# Altium PCB Diver Sensor.PcbDoc (continued)
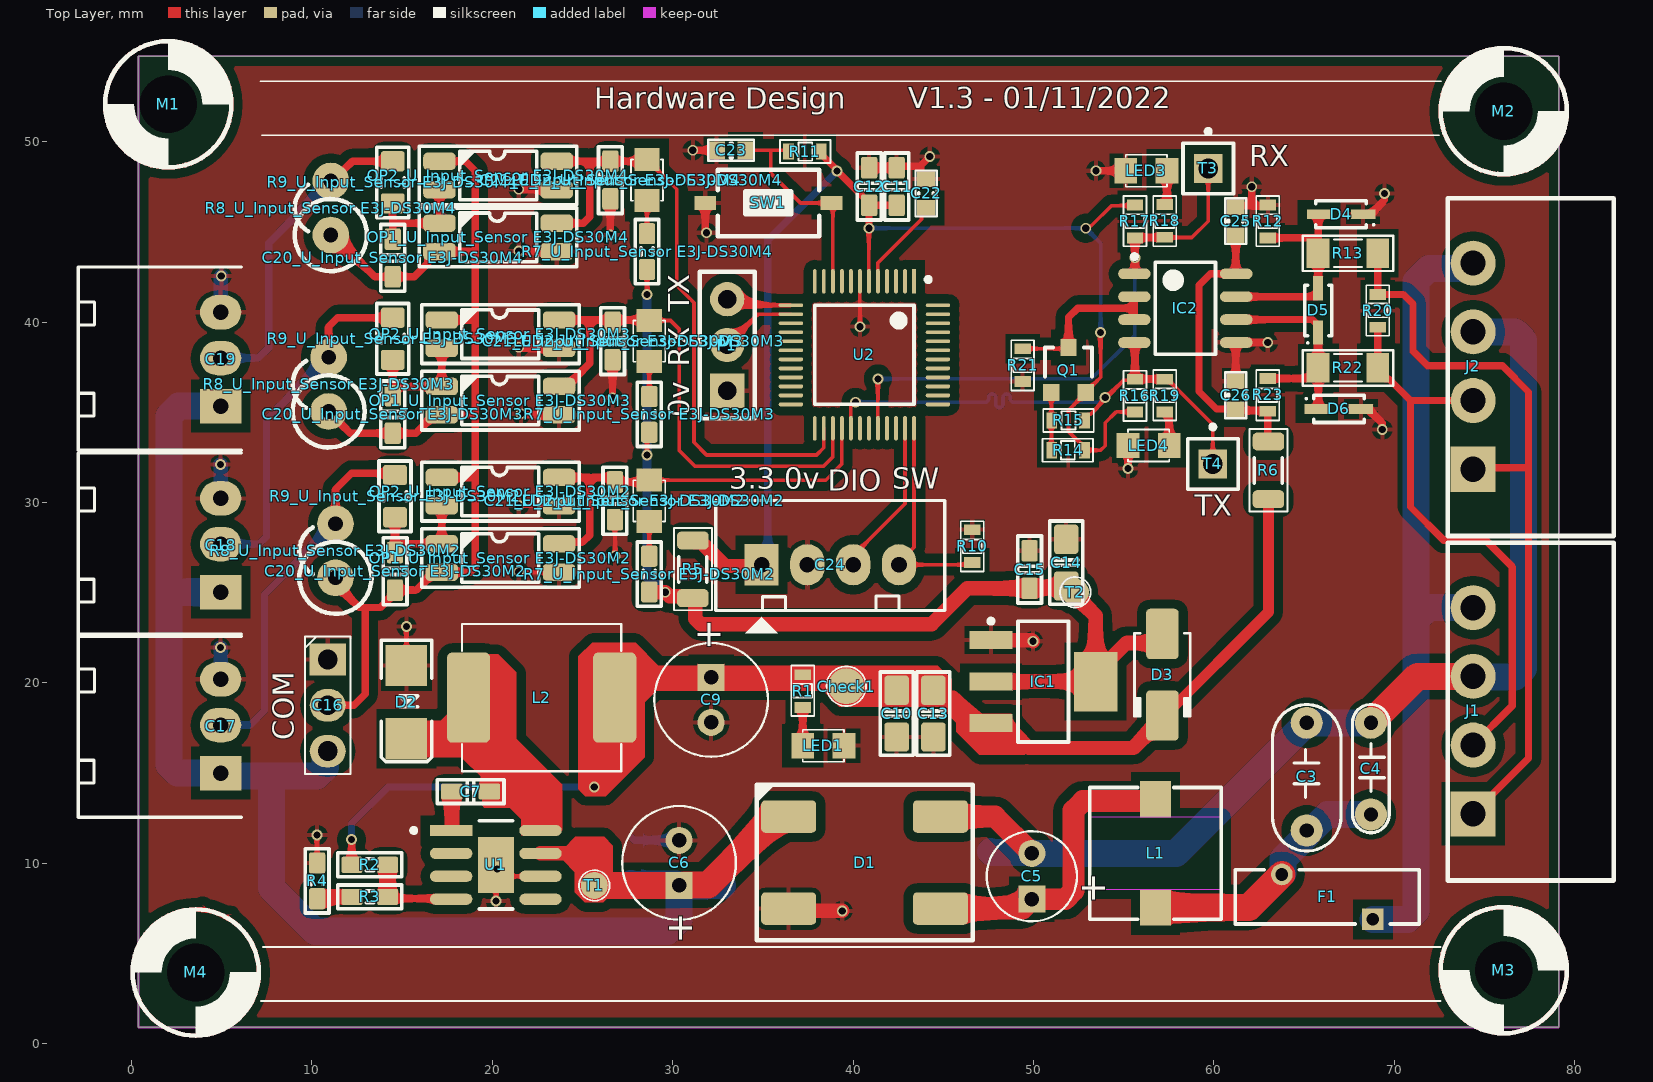
[diagram p0: Top Layer view]
## Footprints (in the part's own frame and the unit in brackets; to place one, negate y for a bottom-side part, rotate by r counter-clockwise, add the part's x,y. Pads: shape width x height; smd on the part's side, far side on the other; paste and mask are expansions set on the pad) (continued)
  silkscreen extent -1.78,-0.66 1.78,0.66, body extent -0.77,-0.42 0.78,0.43, height 0.44
RESC2012X70N [mil]
  round 10 on Mech3: 0(0,0)
  rrect25% 44x52 smd: 1(-46,0) 2(46,0)
  Top Layer pour cut-out: -23.62,19.66 -14.99,28.25 15,28.25 23.62,20.12 23.62,-20.1 14.98,-28.25 -14.96,-28.25 -23.62,-19.63
  silkscreen extent -77,-35 77,35, body extent -39,-25 39,25, height 17
RUEF165 [mm]
  rect 1.2x1.2 hole 0.7 paste-1000 mask+0: 1(-2.525,1.245)
  round 1.2 hole 0.7 paste-1000 mask+0: 2(2.525,-1.245)
  silkscreen extent -5.1,-1.5 5.1,1.5, body extent -5.2,-1.94 5.2,1.94, height 0.25
SMD-2 [mm]
  round 2 smd paste+0 mask+0: 1(0,0)
  silkscreen extent -1.1,-1.1 1.1,1.1
SMD_1.5 [mm]
  round 1.5 smd paste+0 mask+0: 1(0,0)
  silkscreen extent -0.85,-0.85 0.85,0.85
SO8 [mm] "SOIC, 8-Leads, Body 4.9x3.9mm, Pitch 1.27mm, IPC High Density"
  oval 1.8x0.6 smd: 1(-2.825,1.905) 2(-2.825,0.635) 3(-2.825,-0.635) 4(-2.825,-1.905) 5(2.825,-1.905) 6(2.825,-0.635) 7(2.825,0.635) 8(2.825,1.905)
  silkscreen extent -2.95,-2.55 1.68,2.98, body extent -2.99,-2.45 3,2.45, height 1.6
SOT23-321 [mm]
  rect 0.9x0.95 smd mask+0: 1(0.95,-1.25)
  rect 0.9x0.95 smd: 2(0,1.25) 3(-0.95,-1.25)
  silkscreen extent -1.3,-0.38 1.3,1.25, body extent -1.52,-1.23 1.48,1.27, height 1.06
SOT223 [mm]
  rect 1x2.4 smd: 1(-2.3,-2.9) 2(0,-2.9) 3(2.3,-2.9)
  rect 3.3x2.4 smd: 4(0,2.9)
  silkscreen extent -3.47,-3.02 3.35,1.4, body extent -3.25,-3.56 3.25,3.4, height 1.68
STM32G070CBT6 [mm]
  rect 1.355x0.212 smd paste+0 mask+0: 1(-4.075,2.75)
  rrect100% 1.355x0.212 smd paste+0 mask+0: 2(-4.075,2.25) 3(-4.075,1.75) 4(-4.075,1.25) 5(-4.075,0.75) 6(-4.075,0.25) 7(-4.075,-0.25) 8(-4.075,-0.75) 9(-4.075,-1.25) 10(-4.075,-1.75) 11(-4.075,-2.25) 12(-4.075,-2.75) 25(4.075,-2.75) 26(4.075,-2.25) 27(4.075,-1.75) 28(4.075,-1.25) 29(4.075,-0.75) 30(4.075,-0.25) 31(4.075,0.25) 32(4.075,0.75) 33(4.075,1.25) 34(4.075,1.75) 35(4.075,2.25) 36(4.075,2.75)
  rrect100% 0.212x1.355 smd paste+0 mask+0: 13(-2.75,-4.075) 14(-2.25,-4.075) 15(-1.75,-4.075) 16(-1.25,-4.075) 17(-0.75,-4.075) 18(-0.25,-4.075) 19(0.25,-4.075) 20(0.75,-4.075) 21(1.25,-4.075) 22(1.75,-4.075) 23(2.25,-4.075) 24(2.75,-4.075) 37(2.75,4.075) 38(2.25,4.075) 39(1.75,4.075) 40(1.25,4.075) 41(0.75,4.075) 42(0.25,4.075) 43(-0.25,4.075) 44(-0.75,4.075) 45(-1.25,4.075) 46(-1.75,4.075) 47(-2.25,4.075) 48(-2.75,4.075)
  silkscreen extent -4.3,-2.75 2.75,3.66, body extent -4.85,-4.85 4.85,4.85, height 0.25
SW1-SMD [mm]
  rect 1.2x0.8 smd: 1(-3.5,0) 2(3.5,0)
  silkscreen extent -2.82,-1.85 2.82,1.85, body extent -3.05,-1.85 3.05,1.85, height 2.5
Test [mm] "1pins, 1 row, straight, gold plating"
  rect 1.6x1.6 hole 1.1: 1(0,0)
  silkscreen extent -1.4,-1.4 1.4,2.17, body extent -1.27,-1.27 1.27,1.27, height 8.54
TPS5430 [mm]
  rect 2.353x0.622 smd paste+0 mask+0: 1(-2.477,1.905)
  rrect100% 2.353x0.622 smd paste+0 mask+0: 2(-2.477,0.635) 3(-2.477,-0.635) 4(-2.477,-1.905) 5(2.477,-1.905) 6(2.477,-0.635) 7(2.477,0.635) 8(2.477,1.905)
  rect 2x3.1 smd paste-1000 mask+0: 9(0,0)
  silkscreen extent -4.68,-2.45 0.93,2.45, body extent -4.15,-2.95 4.15,2.95, height 0.25
"VIT - 3.2MM_2" [mm]
  round 0 hole 3.2 unplated: 1(0,0)
  Top Layer circle w0.254: c0,0 r3.5
  Bottom Layer circle w0.2: c0,0 r3.5
  silkscreen extent -3.5,-3.51 3.5,3.51

## Part data
C1 C2 C3 C4 C22 C23 C25 C26: library part CN
C5 C6 C9: library part CN-ALU-DIP, "Capacitor (Semiconductor SIM Model)", LatestRevisionDate=17-Jul-2002, LatestRevisionNote="Re-released for DXP Platform.", PackageReference=C1206, Publisher="Altium Limited"
C7: library part CAPC_10000pF_0603_50V_10%, "10000pF ±10% 50V Ceramic Capacitor X7R 0603 (1608 Metric)", Manufacturer 1="TDK Corporation", Manufacturer Part Number 1=CGA3E2X7R1H103K080AA, Operating Temperature="-55°C ~ 125°C", Package / Case="0603 (1608 Metric)", Ratings=AEC-Q200, Supplier Part Number 1=445-5662-6-ND, Temperature Coefficient=X7R, Tolerance=±10%, Voltage - Rated=50V, Pcs 2=10, Price 2=1900, Supplier 1=Digi-Key, Supplier 2=https://www.thegioiic.com, Supplier Part Number 2=https://www.thegioiic.com/products/tu-gom-0603-10nf-50v
C8: library part CAPC_10uF_0805_X7R_25V_10%, "10µF ±10% 25V Ceramic Capacitor X7R 1206 (3216 Metric)", Manufacturer 1="Taiyo Yuden", Manufacturer Part Number=TMK316AB7106KLHT, Operating Temperature="-55°C ~ 125°C", Package / Case="0805 (2012 metric)", Ratings=AEC-Q200, Supplier Part Number 1=587-3485-6-ND, Temperature Coefficient=X7R, Tolerance=±10%, Voltage - Rated=25V, Pcs 2=10, Price 2=5800, Supplier 1=Digi-Key, Supplier 2=https://www.thegioiic.com, Supplier Part Number 2=https://www.thegioiic.com/products/tu-gom-0805-10uf-25v
C10: library part CAPC_100nF_0805_X7R_50V_10%, "0.1µF ±10% 50V Ceramic Capacitor X7R 0805 (2012 Metric)", Manufacturer 1="Samsung Electro-Mechanics", Manufacturer Part Number=CL21B104KBFXPJE, Operating Temperature="-55°C ~ 125°C", Package / Case="0805 (2012 metric)", Ratings=AEC-Q200, Supplier Part Number 1=1276-CL21B104KBFXPJEDKR-ND, Temperature Coefficient=X7R, Tolerance=±10%, Voltage - Rated=50V, Pcs 2=10, Price 2=2000, Supplier 1=Digi-Key, Supplier 2=https://www.thegioiic.com, Supplier Part Number 2=https://www.thegioiic.com/products/tu-gom-0805-100nf-0-1uf-50v
C11 C12 C15 "C21_U_Input_Sensor E3J-DS30M2" "C21_U_Input_Sensor E3J-DS30M3" "C21_U_Input_Sensor E3J-DS30M4": library part CAPC_100nF_0603_X7R_50V_10%, "0.1µF ±10% 50V Ceramic Capacitor X7R 0603 (1608 Metric)", Manufacturer 1="TDK Corporation", Manufacturer Part Number 1=CGA3E2X7R1H104K080AA, Operating Temperature="-55°C ~ 125°C", Package / Case="0603 (1608 Metric)", Ratings=AEC-Q200, Supplier Part Number 1=445-5666-6-ND, Temperature Coefficient=X7R, Tolerance=±10%, Voltage - Rated=50V, Applications=Automotive, Packaging=Digi-Reel®, Pcs 2=10, Price 2=1800, Supplier 1=Digi-Key, Supplier 2=www.thegioiic.com, Supplier Part Number 2=https://www.thegioiic.com/products/tu-gom-0603-100nf-0-1uf-50v
C13 C14: library part CAPC_4.7uF_0805_X7R_50V_10%, "4.7µF ±10% 50V Ceramic Capacitor X7R 0805 (2012 Metric)", Manufacturer 1="TDK Corporation", Manufacturer Part Number=CGA4J1X7R1H475K125AE, Operating Temperature="-55°C ~ 125°C", Package / Case="0805 (2012 metric)", Ratings=AEC-Q200, Supplier Part Number 1=445-181410-6-ND, Temperature Coefficient=X7R, Tolerance=±10%, Voltage - Rated=50V, Pcs 2=1, Price 2=680, Supplier 1=Digi-Key, Supplier 2=https://www.thegioiic.com, Supplier Part Number 2=https://www.thegioiic.com/products/tu-gom-0805-4-7uf-50v
C16: "WR-PHD 2.54 mm Angled Socket Header", Manufacturer="W¨¹rth Elektronik eiSos GmbH", partNo=613003143121, ComponentLink1 Description=Manufacturer, ComponentLink1URL=http://www.we-online.com, ComponentLink2 Description=Datasheet, ComponentLink2URL=http://katalog.we-online.de/em/datasheet/6130xx143121.pdf, Created by="Karrer Zheng", Created Date="29 March 2013", NoPins=03
C17 C18 C19: "Header IDC, 3 x 1 Pin Vertical 2.54mm Pitch (Non-Boxed, Male)", Manufacturer="W¨¹rth Elektronik eiSos GmbH", partNo=613002143121, ComponentLink1 Description=Manufacturer, ComponentLink1URL=http://www.we-online.com, ComponentLink2 Description=Datasheet, ComponentLink2URL=http://katalog.we-online.de/em/datasheet/6130xx143121.pdf, Created by="Karrer Zheng", Created Date="29 March 2013", NoPins=02
"C20_U_Input_Sensor E3J-DS30M2" "C20_U_Input_Sensor E3J-DS30M3" "C20_U_Input_Sensor E3J-DS30M4": library part CAPC_100pF_0603_C0G_NP0_100V_5%, "100pF ±5% 100V Ceramic Capacitor C0G, NP0 0603 (1608 Metric)", Manufacturer 1="TDK Corporation", Operating Temperature="-55°C ~ 125°C", Package / Case="0603 (1608 Metric)", Ratings=AEC-Q200, Supplier Part Number 1=445-5724-6-ND, Temperature Coefficient="C0G, NP0", Tolerance=±5%, Voltage - Rated=100V, Applications=Automotive, Packaging=Digi-Reel®, Pcs 2=10, Price 2=1800, Supplier 1=Digi-Key, Supplier 2=https://www.thegioiic.com, Supplier Part Number 2=https://www.thegioiic.com/products/tu-gom-0603-100pf-50v
C24: "Header IDC, 4 x 1 Pin Vertical 2.54mm Pitch (Non-Boxed, Male)", Manufacturer="W¨¹rth Elektronik eiSos GmbH", partNo=613002143121, ComponentLink1 Description=Manufacturer, ComponentLink1URL=http://www.we-online.com, ComponentLink2 Description=Datasheet, ComponentLink2URL=http://katalog.we-online.de/em/datasheet/6130xx143121.pdf, Created by="Karrer Zheng", Created Date="29 March 2013", NoPins=02
Check1 T1 T2: library part Test, "WR-PHD 2.54 mm Angled Socket Header", Manufacturer="W¨¹rth Elektronik eiSos GmbH", partNo=613002143121, ComponentLink1 Description=Manufacturer, ComponentLink1URL=http://www.we-online.com, ComponentLink2 Description=Datasheet, ComponentLink2URL=http://katalog.we-online.de/em/datasheet/6130xx143121.pdf, Created by="Karrer Zheng", Created Date="29 March 2013", NoPins=02
D1: library part DIODE_DF1502S, "Bridge Rectifier Single Phase Standard 200V Surface Mount DF-S", Manufacturer 1="Diodes Incorporated", Manufacturer Part Number 1=DF1502S-T, Package / Case="4-SMD, Gull Wing", Ratings="200V; 1.5A", Supplier Part Number 1=DF1502SDIDKR-ND, Diode Type=Standard, Mounting Type="Surface Mount", Pcs 2=1, Price 2=3500, Supplier 1=Digi-Key, Supplier 2=https://www.thegioiic.com, Supplier Part Number 2=https://www.thegioiic.com/products/df1502s-cau-chinh-luu-200v-1-5a
D2: library part "Diode SMD", "Default Diode", Code - JEDEC=DO-214-AB, Published=8-Jun-2000, Publisher="Altium Limited", Revision="July-2002: Re-released for DXP Platform."
D3: library part DIODE_1N4007, "Diode  Standard Rectifier SMD 1000V 1A SMA", Manufacturer 1="Micro Commercial Co", Manufacturer Part Number 1=SM4007PL-TP, Package / Case="DO-214AC, SMA", Ratings="1000V; 1A", Supplier Part Number 1=SM4007PL-TPMSDKR-ND, Diode Type=Standard, Mounting Type="Surface Mount", Pcs 2=1, Price 2=1000, Speed="Standard Recovery >500ns, > 200mA (Io)", Supplier 1=Digi-Key, Supplier 2=https://www.thegioiic.com, Supplier Part Number 2=https://www.thegioiic.com/products/1n4007-m7-diode-chinh-luu-1a-1kv
D4 D5 D6: "diode tvs"
IC1: library part IC_LM1117IMP-3.3, "Linear Voltage Regulator IC  1 Output  800mA SOT-223", Current - Output=800mA, Manufacturer="Texas Instruments", Manufacturer Part Number=LM1117IMP-3.3/NOPB, Operating Temperature="-40°C ~ 125°C", Supplier Device Package=SOT-223, Supplier Part Number 1=LM1117IMP-3.3/NOPBDKR-ND, Voltage - Input (Max)=15V, Voltage Dropout (Max)="1.2V @ 800mA", Pcs 2=1, Price 2=11000, Protection Features="Over Current, Over Temperature", PSRR="75dB (120Hz)", Supplier 1=Digi-Key, Supplier 2=https://www.thegioiic.com, Supplier Part Number 2=https://www.thegioiic.com/products/lm1117imp-3-3-nopb-ic-on-ap-3-3v-800ma
IC2: library part MAX485, "RS232 - RS485 (Same sn75176)"
J1 J2: library part 691305340004, "WR-TBL Serie 3053 - 3.81 mm Horizontal PCB Header with Plastic Latch, 04p", ComponentLink1Description=Manufacturer, ComponentLink1URL=http://www.we-online.de, ComponentLink2Description=Datasheet, ComponentLink2URL=http://katalog.we-online.de/em/datasheet/691305340004.pdf, Part Number=691305340004, Pin Number=04p, Pitch="3.81 mm", Published Date="Jan 2017", Publisher="Wurth Elektronik"
L1: library part L-SMD-1, Inductance="1.0 μH", Manufacturer="Wurth Elektronik", partNo=78477010, ComponentLink1Description=Manufacturer, ComponentLink1URL=http://www.we-online.de, ComponentLink2Description=Datasheet, ComponentLink2URL=http://katalog.we-online.de/pbs/datasheet/78477010.pdf, Created by="Baojun Chen", Created Date=Nov.2015
L2: library part INDC_SMD_22uH_8D43, "22µH Shielded Wirewound Inductor 950mA 380mOhm Max Nonstandard", Current Rating (Amps)="3.25 A", Manufacturer 1=Yageo, Operating Temperature="-40°C ~ 125°C", Ratings="None AEC-Q200", Pcs 2=1, Price 2=2000, Supplier 1=Digi-Key, Supplier 2=https://www.thegioiic.com/, Supplier Part Number 2=https://www.thegioiic.com/products/cuon-cam-dan-smd-8d43-220-22uh-3-25a
LED1 "LED2_U_Input_Sensor E3J-DS30M2" "LED2_U_Input_Sensor E3J-DS30M3" "LED2_U_Input_Sensor E3J-DS30M4" LED3 LED4: library part "LED SMD"
M1 M2 M3 M4: library part "VIT - 3.2mm_1"
"OP1_U_Input_Sensor E3J-DS30M2" "OP1_U_Input_Sensor E3J-DS30M3" "OP1_U_Input_Sensor E3J-DS30M4" "OP2_U_Input_Sensor E3J-DS30M2" "OP2_U_Input_Sensor E3J-DS30M3" "OP2_U_Input_Sensor E3J-DS30M4": library part OPTO_EL3H7, "Photo Transistor", Manufacturer 1="Everlight Electronics Co Ltd", Manufacturer Part Number 1=EL3H7(TA)-VG, Operating Temperature="-55°C ~ 110°C", Supplier Part Number 1=1080-1198-6-ND, Pcs 2=1, Price 2=1100, Supplier 1=Digi-Key, Supplier 2=linhkien.cxt.vn, Supplier Part Number 2=https://linhkien.cxt.vn/2637-el3h7bta-vg.html
P1: "Header, 3-Pin", LatestRevisionDate=17-Jul-2002, LatestRevisionNote="Re-released for DXP Platform.", Publisher="Altium Limited"
Q1: "PNP 600mW, ECB"
R1 R10 R11 R12 R13 R14 R15 R16 R17 R18 R19 R20 R21 R22 R23: library part Res-SMD, "Resistor", Manufacturer="Generic Components", Class=Passive, Published=08/06/2000, Publisher="Altium Hobart Technology Centre"
R2 "R7_U_Input_Sensor E3J-DS30M2" "R7_U_Input_Sensor E3J-DS30M3" "R7_U_Input_Sensor E3J-DS30M4": library part RES_10K_0603_1%, "10 kOhms ±1% 0.1W, 1/10W Chip Resistor 0603 (1608 Metric) Anti-Sulfur, Automotive AEC-Q200, Moisture Resistant Thin Film", Manufacturer="Stackpole Electronics Inc", Manufacturer Part Number=RMCF0603FT10K0, Operating Temperature="-55°C ~ 155°C", Package / Case="0603 (1608 Metric)", Power (Watts)=1/10W, Ratings="Automotive AEC-Q200", Supplier Part Number 1=RMCF0603FT10K0DKR-ND, Temperature Coefficient=±100ppm/°C, Tolerance=±1%, Pcs 2=50, Price 2=2000, Supplier 1=Digi-Key, Supplier 2=www.thegioiic.com, Supplier Part Number 2=https://www.thegioiic.com/products/dien-tro-10-kohm-0603-1
R3: library part RES_3K_0603_1%, "3 kOhms ±1% 0.1W, 1/10W Chip Resistor 0603 (1608 Metric) Automotive AEC-Q200 Thick Film", Manufacturer="Stackpole Electronics Inc", Manufacturer Part Number=RMCF0603FT3K00, Operating Temperature="-55°C ~ 155°C", Package / Case="0603 (1608 Metric)", Power (Watts)=1/10W, Ratings=AEC-Q200, Supplier Part Number 1=RMCF0603FT3K00DKR-ND, Temperature Coefficient=±100ppm/°C, Tolerance=±1%, Pcs 2=50, Price 2=2000, Supplier 1=Digi-Key, Supplier 2=www.thegioiic.com, Supplier Part Number 2=https://www.thegioiic.com/products/dien-tro-3-kohm-0603-1
R4: library part RES_220R_0603_1%, "220 Ohms ±1% 0.1W, 1/10W Chip Resistor 0603 (1608 Metric) Automotive AEC-Q200 Thick Film", Manufacturer="Stackpole Electronics Inc", Manufacturer Part Number=RMCF0603FT220R, Operating Temperature="-55°C ~ 155°C", Package / Case="0603 (1608 Metric)", Power (Watts)="0.1W, 1/10W", Ratings=AEC-Q200, Supplier Part Number 1=RMCF0603FT220RDKR-ND, Temperature Coefficient=±100ppm/°C, Tolerance=±1%, Composition="Thick Film", Pcs 2=50, Price 2=2000, Supplier 1=Digi-Key, Supplier 2=www.thegioiic.com, Supplier Part Number 2=https://www.thegioiic.com/products/dien-tro-220-ohm-0603-1
R5 R6: library part RES_0R/R1206/1%, "RES SMD 0.0 OHM JUMPER 1/4W 1206", Manufacturer="Bourns Inc.", Manufacturer Part Number=CR1206-J/-000ELF, Operating Temperature="-55°C ~ 155°C", Package / Case="1206 (3216 Metric)", Power (Watts)="0.25W, 1/4W", Resistance (Ohms)=0.0, Supplier Device Package=1206, Supplier Part Number 1=CR1206-J/-000ELFTR-ND, Temperature Coefficient="-250/ +500ppm/°C", Tolerance=Jumper, Category=Resistors, ComponentLink1Description=http://www.bourns.com/data/global/pdfs/CHPREZTR.pdf, ComponentLink1URL=http://www.bourns.com/data/global/pdfs/CHPREZTR.pdf, Composition="Thick Film", Features="Moisture Resistant", Height="0.030\" (0.75mm)", Number of Terminations=2, Packaging="Tape & Reel (TR)", Pricing 1="5000=0.00931, 10000=0.00809, 25000=0.00711, 50000=0.00652, 125000=0.00638 (USD)", RoHS="RoHS Compliant By Exemption", Size / Dimension="0.126\" L x 0.063\" W (3.20mm x 1.60mm)", Stock 1=80000, Supplier 1=Digi-Key
"R8_U_Input_Sensor E3J-DS30M2" "R8_U_Input_Sensor E3J-DS30M3" "R8_U_Input_Sensor E3J-DS30M4": library part RES_390R_Axial_2W_5%, "Resistor THD 390 Ohm 2W 5% Metal Film", Manufacturer 1=Yageo, Manufacturer Part Number 1=FMP200JR-52-390R, Power (Watts)=2W, Supplier Part Number 1=390ZTR-ND, Tolerance=±5%, Pcs 2=1, Price 2=500, Size / Dimension="0.154\" Dia x 0.354\" L (3.90mm x 9.00mm)", Supplier 1=Digi-Key, Supplier 2=https://www.thegioiic.com, Supplier Part Number 2=https://www.thegioiic.com/products/dien-tro-390-ohm-2w-5-4-vong-mau
"R9_U_Input_Sensor E3J-DS30M2" "R9_U_Input_Sensor E3J-DS30M3" "R9_U_Input_Sensor E3J-DS30M4": library part RES_24K_0805_1%, "24 kOhms ±1% 0.125W, 1/8W Chip Resistor 0805 (2012 Metric) Automotive AEC-Q200 Thick Film", Manufacturer="Stackpole Electronics Inc", Manufacturer Part Number=RMCF0805FT10K5, Operating Temperature="-55°C ~ 155°C", Package / Case="0805 (2012 Metric)", Power (Watts)="0.1W, 1/10W", Supplier Part Number 1=RMCF0805FT24K0DKR-ND, Temperature Coefficient=±100ppm/°C, Tolerance=±1%, Features="Automotive AEC-Q200", Pcs 2=50, Price 2=1800, Supplier 1=Digi-Key, Supplier 2=www.thegioiic.com, Supplier Part Number 2=https://www.thegioiic.com/products/dien-tro-24-kohm-0805-5
SW1: library part SW2, "Switch button 2 pin"
T3 T4: "WR-PHD 2.54 mm Angled Socket Header", Manufacturer="W¨¹rth Elektronik eiSos GmbH", partNo=613002143121, ComponentLink1 Description=Manufacturer, ComponentLink1URL=http://www.we-online.com, ComponentLink2 Description=Datasheet, ComponentLink2URL=http://katalog.we-online.de/em/datasheet/6130xx143121.pdf, Created by="Karrer Zheng", Created Date="29 March 2013", NoPins=02
U2: "No Description Available", Built_By=EMA_UL_Team, Copyright="Copyright (C) 2018 Accelerated Designs. All rights reserved", Manufacturer_Part_Number=STM32G070CBT6, RefDes=RefDes, SourceLibrary=Updates_to_database_2020-10-19, Type=DEV, Vendor=STMicroelectronics

## Via types
v1: diameter 0.6, hole 0.4, Top Layer to Bottom Layer, tented both sides, 41 vias

## Nets (pads, with @x,y where several pads share a name; then routed paths per layer and width w, separated by ;. In a path a pad name is that pad's centre, name@x,y a point inside that pad or via, vN(x,y) a via of type N, cw(c..) or ccw(c..) an arc to the next point about the centre after c; other vN are vias at no path point)
3.3V: "R7_U_Input_Sensor E3J-DS30M2.2" "R7_U_Input_Sensor E3J-DS30M3.2" "R7_U_Input_Sensor E3J-DS30M4.2" C14.2 C15.1 D3.A IC1.2 IC1.4 R5.1 T2.1 | length 61.8
  Top Layer w0.2: v1(28.575,32.629) 28.575,33.762 28.702,33.889 ; v1(28.575,41.519) 28.575,41.646 28.575,42.915
  Top Layer w0.8: 28.702,25.034 28.717,25.019 v1(29.591,25.019) 29.821,24.789 31.05,24.789 31.25,24.589 31.25,23.55 31.55,23.25 44.35,23.25 46.337,25.237 C15.1 49.784,25.251 49.834,25.301 51.752,25.301 C14.2 ; IC1.2 IC1.4 ; C14.2@52.373,25.213 52.324,25.263 52.214,25.153 52.324,25.043 T2.1 52.324,24.83 53.446,23.708 IC1.4 ; D3.A 57.15,22.7 56.65,22.2 55.13,22.2 53.446,20.516 IC1.4
  Bottom Layer w0.5: v1(28.575,41.519) 28.575,25.841 28.929,25.488 29.095,25.488 29.564,25.019 v1(29.591,25.019)
24Vdc: C2.2 C6.1 C8.2 C16.3 C17.1 C18.1 C19.1 D1.1 T1.1 U1.7 | length 89.6
  Top Layer w0.8: U1.7 25.146,10.541 25.527,10.16 T1.1@25.527,8.89 ; D1.1@35.931,12.083 D1.1
  Top Layer w1: T1.1@25.527,8.89 T1.1 ; C6.1 30.585,8.763 C6.1@30.603,8.781 ; D1.1@35.7,12.525 D1.1@35.925,12.525
  Top Layer w1.5: T1.1 C6.1 ; C6.1@30.603,8.781 31.956,8.781 D1.1@35.7,12.525
  Bottom Layer w1.5: C18.1 2.183,25.019 2.075,25.127 ; C19.1 2.608,35.333 2.075,34.8 2.075,25.127 ; C16.3 10.736,16.071 10.736,15.294 10.268,14.825 7.481,14.825 ; C8.2 27.737,8.814 30.302,8.814 C6.1 ; C2.2 32.753,8.75 30.366,8.75 C6.1 ; 2.075,25.127 2.075,15.455 2.544,14.986 C17.1 5.101,14.825 7.481,14.825 ; 7.481,14.825 7.75,14.556 7.75,8.633 8.742,7.641 10.16,6.223 29.718,6.223 30.353,6.858 C6.1
+5: C9.1 C10.1 C13.2 Check1.1 D3.C IC1.3 L2.2 R1.1 R2.2 R6.1 | length 70.2
  Top Layer w0.4: v1(12.192,11.303) 12.205,11.29 12.205,9.919 R2.2
  Top Layer w0.6: D3.C@57.277,18.175 63.025,23.923 R6.1
  Top Layer w0.8: v1(25.654,14.224) 26.783,15.353 L2.2 26.783,19.5 27.583,20.3 C9.1 37.211,20.3 38.811,20.3 39.299,19.812 Check1.1 39.738,19.698 42.418,19.698 44.336,19.698 44.336,19.563 44.725,19.173 45.539,19.173 46.946,17.766 IC1.3 48.346,17.766 49.729,16.383 55.538,16.383 56.345,17.189 56.65,17.189 57.15,17.689 D3.C
  Bottom Layer w0.4: v1(12.192,11.303) 12.192,12.192 14.224,14.224 v1(25.654,14.224)
"Control Modbus": IC2.2 IC2.3 Q1.2 R21.2 | length 9.4
  Top Layer w0.2: R21.2 51.874,38.519 Q1.2
  Top Layer w0.4: Q1.2 51.943,40.259 52.451,40.767 55.595,40.767 ; IC2.3 55.595,40.767 ; IC2.2 55.595,40.767
DIO: C24.3 U2.35 | length 8.8
  Top Layer w0.2: C24.3 40.005,27.051 42.879,29.925 U2.35
GND: "C21_U_Input_Sensor E3J-DS30M2.2" "C21_U_Input_Sensor E3J-DS30M3.2" "C21_U_Input_Sensor E3J-DS30M4.2" "OP1_U_Input_Sensor E3J-DS30M2.3" "OP1_U_Input_Sensor E3J-DS30M3.3" "OP1_U_Input_Sensor E3J-DS30M4.3" "OP2_U_Input_Sensor E3J-DS30M2.3" "OP2_U_Input_Sensor E3J-DS30M3.3" "OP2_U_Input_Sensor E3J-DS30M4.3" C2.1 C6.2 C8.1 C9.2 C10.2 C11.2 C12.2 C13.1 C14.1 C15.2 C16.1 C17.3 C18.3 C19.3 C22.2 C23.2 C24.2 C25.1 C26.2 D1.3 D2.1 D4.1 D6.2 IC1.1 IC2.5 LED1.2 LED3.2 LED4.2 P1.1 R4.1 R10.2 R12.1 R21.1 SW1.2 U1.6 U1.9 U2.7 | length 65.2
  Top Layer w0.2: R4.1 v1(10.287,11.557) ; D2.1 v1(15.24,23.114) ; v1(20.2,7.9) 20.2,9.668 20.193,9.675 U1.9 ; v1(20.275,9.675) 20.275,9.824 U1.9 ; v1(21.463,26.152) 21.488,26.126 23.698,26.126 ; v1(21.463,29.835) 21.488,29.809 23.698,29.809 ; U1.6 20.91,9.271 20.275,9.906 U1.9 ; v1(26.797,27.041) 26.797,29.047 ; U2.7 40.379,39.748 v1(40.386,39.741)
  Top Layer w0.4: v1(21.463,38.598) 21.523,38.537 23.698,38.537 ; v1(21.463,43.932) 21.488,43.906 23.571,43.906 ; v1(21.463,47.361) 21.488,47.335 23.571,47.335 ; v1(21.59,34.915) 21.65,34.854 23.698,34.854 ; v1(26.543,44.821) 26.543,46.827 ; v1(26.67,35.804) 26.67,37.902 ; v1(31.115,49.52) C23.2 ; SW1.2 31.806,45.073 31.877,45.002 v1(31.877,44.948) ; C12.2 C11.2 42.494,48.631 43.708,48.631 ; C22.2 44,47.925 43.75,48.175 43.75,48.588 43.708,48.631 ; v1(44.25,49.175) 43.708,48.633 43.708,48.631 ; v1(53.467,48.387) LED3.2 ; v1(55.245,31.877) LED4.2 ; C26.2 61.214,38.831 IC2.5 v1(62.992,38.862) ; C25.1 61.259,46.438 62.103,46.438 ; v1(62.103,47.498) 62.103,46.438 ; R12.1 62.947,46.438 62.103,46.438 ; D6.2 68.554,35.179 69.342,34.391 v1(69.342,34.036) ; D4.1 68.681,45.974 69.469,46.762 v1(69.469,47.117)
  Top Layer w0.8: D1.3 36.564,7.35 v1(39.4,7.35) ; IC1.1 49.909,22.366 v1(49.975,22.3)
  Bottom Layer w0.4: C8.1 27.878,11.263 C6.2
  Bottom Layer w0.8: v1(4.925,21.95) 4.94,21.935 C17.3 ; v1(4.925,32.1) 4.94,32.085 C18.3 ; C19.3 4.94,42.515 v1(4.975,42.55)
GND_In: C1.1 C3.1 C4.1 C5.2 D1.2 J1.3 J2.3 | length 61
  Top Layer w1.2: D1.2 47.869,12.583 C5.2
  Top Layer w1.5: C4.1 71.282,20.355 J1.3
  Bottom Layer w1.5: C1.1 47.676,10.592 49.86,10.592 C5.2 57.912,10.541 C3.1 C4.1 ; J1.3 74.405,20.325 76.706,20.325 77.175,20.794 77.175,38.986 76.706,39.455 J2.3
INPUT_1: "R8_U_Input_Sensor E3J-DS30M2.2" "R9_U_Input_Sensor E3J-DS30M2.1" C17.2 | length 20.4
  Top Layer w0.4: 11.303,28.819 11.303,30.724 12.192,31.613 14.503,31.613 14.605,31.511
  Bottom Layer w0.4: C17.2 6.572,17.653 7.375,18.456 7.375,24.891 11.303,28.819
INPUT_2: "R8_U_Input_Sensor E3J-DS30M3.2" "R9_U_Input_Sensor E3J-DS30M3.1" C18.2 | length 19.5
  Top Layer w0.4: 10.922,38.042 10.922,39.741 11.42,40.239 14.478,40.239
  Bottom Layer w0.4: C18.2 7.061,27.686 7.475,28.1 7.475,34.595 10.922,38.042
INPUT_3: "R8_U_Input_Sensor E3J-DS30M4.2" "R9_U_Input_Sensor E3J-DS30M4.1" C19.2 | length 18.2
  Top Layer w0.4: 10.695,47.821 11.049,47.821 11.156,47.821 12.245,48.91 14.478,48.91
  Bottom Layer w0.4: C19.2 7.025,38 7.6,38.575 7.6,44.372 11.049,47.821 10.695,47.821
MAX3485: C25.2 C26.1 IC2.8 R6.2 R23.1 | length 16.3
  Top Layer w0.4: C25.2 61.214,42.703 IC2.8 59.817,42.672 59.182,42.037 59.182,36.143 60.146,35.179 61.176,35.179 61.259,35.096 62.947,35.096 R23.1 62.992,33.408 R6.2
Modbus_A1: J1.2 J2.2 R20.2 R22.1 | length 32.1
  Top Layer w0.4: R20.2 R22.1 69.088,37.274 69.523,36.839 69.714,36.839 70.908,35.645 ; J1.2 76.55,18.72 76.55,26.425 75.075,27.9 72.75,27.9 70.908,29.742 70.908,35.645 ; J2.2 70.908,35.645
Modbus_B1: J1.1 J2.1 R13.1 R20.1 | length 42.2
  Top Layer w0.4: R13.1 R20.1 70.521,41.529 71.05,41 71.05,38.375 71.85,37.575 76,37.575 77.45,36.125 77.45,31.925 ; J1.1 77.45,15.81 77.45,31.925 ; J2.1 74.36,31.835 74.45,31.925 77.45,31.925
NetC1_2: C1.2 C5.1 D1.4 L1.2 | length 19.3
  Top Layer w1.2: D1.4 49.393,7.483 C5.1 51.75,8.001 52.219,8.47 52.219,12.914 52.746,13.441 L1.2@56.519,13.441
  Bottom Layer w0.8: C1.2 47.955,7.671 49.581,7.671 C5.1
NetC3_2: C3.2 C4.2 F1.2 L1.1 | length 14.7
  Top Layer w1.5: L1.1 61.937,7.541 F1.2
  Bottom Layer w1.5: F1.2 63.846,9.449 63.846,10.241 65.151,11.546 C3.2 65.416,11.811 66.305,12.7 C4.2
NetC7_1: C7.1 U1.1 | length 1.8
  Top Layer w0.8: C7.1 17.755,12.217 17.78,12.192
NetC7_2: C7.2 D2.2 L2.1 U1.8 | length 13.8
  Top Layer w0.8: D2.2 15.483,17.134 17.883,17.134 L2.1@18.683,17.934 ; L2.1 L2.1@18.683,17.934 ; 22.86,12.192 22.86,13.081 22.225,13.716 21.971,13.97 C7.2 19.837,16.723 18.683,17.877 L2.1@18.683,17.934
NetC16_2: "C20_U_Input_Sensor E3J-DS30M2.1" "C20_U_Input_Sensor E3J-DS30M3.1" "C20_U_Input_Sensor E3J-DS30M4.1" "OP1_U_Input_Sensor E3J-DS30M2.2" "OP1_U_Input_Sensor E3J-DS30M3.2" "OP1_U_Input_Sensor E3J-DS30M4.2" "OP2_U_Input_Sensor E3J-DS30M2.1" "OP2_U_Input_Sensor E3J-DS30M3.1" "OP2_U_Input_Sensor E3J-DS30M4.1" "R8_U_Input_Sensor E3J-DS30M2.1" "R8_U_Input_Sensor E3J-DS30M3.1" "R8_U_Input_Sensor E3J-DS30M4.1" C16.2 | length 63.1
  Top Layer w0.4: C16.2 12.325,18.75 12.95,19.375 12.95,24.17 ; 10.922,35.042 12.125,33.838 15.762,33.838 16.778,34.854 ; 11.049,44.821 11.176,44.821 13.487,42.509 14.478,42.509 15.672,42.509 16.424,43.261 16.424,43.627 16.703,43.906 19.006,43.906 19.05,43.95 ; 11.303,25.819 11.303,25.489 12.623,24.17 12.95,24.17 ; 17.069,48.91 18.517,48.91 19.05,48.377 19.05,43.95 ; 17.196,31.384 18.948,31.384 19.05,31.486 ; 17.196,34.854 18.823,34.854 18.883,34.915 19.05,34.915 ; 17.196,40.112 19.04,40.112 19.05,40.122 ; 12.95,24.17 13.789,24.17 14.605,24.986 14.605,25.136 15.788,25.136 16.778,26.126 17.196,26.126 18.771,26.126 19.05,26.406 19.05,31.486 ; 19.05,31.486 19.05,34.915 ; 19.05,34.915 19.05,40.122 ; 19.05,40.122 19.05,43.95
"NetC20_U_Input_Sensor E3J-DS30M2_2": "C20_U_Input_Sensor E3J-DS30M2.2" "OP1_U_Input_Sensor E3J-DS30M2.1" "OP2_U_Input_Sensor E3J-DS30M2.2" "R9_U_Input_Sensor E3J-DS30M2.2" | length 6.8
  Top Layer w0.4: 14.605,27.218 14.605,27.368 ; 14.605,29.174 14.605,27.368 ; 17.196,29.809 17.196,27.701 14.938,27.701 14.605,27.368
"NetC20_U_Input_Sensor E3J-DS30M3_2": "C20_U_Input_Sensor E3J-DS30M3.2" "OP1_U_Input_Sensor E3J-DS30M3.1" "OP2_U_Input_Sensor E3J-DS30M3.2" "R9_U_Input_Sensor E3J-DS30M3.2" | length 7
  Top Layer w0.4: 14.478,35.921 14.478,36.071 ; 14.478,37.902 14.478,36.071 ; 17.196,38.537 17.196,36.429 14.836,36.429 14.478,36.071
"NetC20_U_Input_Sensor E3J-DS30M4_2": "C20_U_Input_Sensor E3J-DS30M4.2" "OP1_U_Input_Sensor E3J-DS30M4.1" "OP2_U_Input_Sensor E3J-DS30M4.2" "R9_U_Input_Sensor E3J-DS30M4.2" | length 6.5
  Top Layer w0.4: 14.478,44.592 14.478,45.583 ; 14.478,46.573 14.478,45.583 ; 17.069,47.335 17.069,45.481 14.58,45.481 14.478,45.583
NetD4_2: D4.2 D5.2 IC2.7 R12.2 R13.2 | length 11.9
  Top Layer w0.4: IC2.7 65.711,41.402 65.786,41.477 D5.2 65.786,44.704 ; R12.2 65.748,44.666 65.786,44.704 ; D4.2 65.786,45.929 65.786,44.704
NetD5_1: D5.1 D6.1 IC2.6 R22.2 R23.2 | length 12.5
  Top Layer w0.4: IC2.6 65.469,40.132 65.786,39.815 D5.1 65.786,35.254 65.711,35.179 D6.1 ; R23.2 65.351,36.868 65.786,37.303 R22.2
NetLED1_1: LED1.1 R1.2 | length 2.1
  Top Layer w0.4: LED1.1 R1.2
"NetLED2_U_Input_Sensor E3J-DS30M2_1": "LED2_U_Input_Sensor E3J-DS30M2.1" "R7_U_Input_Sensor E3J-DS30M2.1" | length 2.1
  Top Layer w0.2: 28.702,27.015 28.702,28.438 28.956,28.692 28.702,28.946
"NetLED2_U_Input_Sensor E3J-DS30M3_1": "LED2_U_Input_Sensor E3J-DS30M3.1" "R7_U_Input_Sensor E3J-DS30M3.1" | length 1.9
  Top Layer w0.2: 28.702,35.87 28.702,37.8
"NetLED2_U_Input_Sensor E3J-DS30M4_1": "LED2_U_Input_Sensor E3J-DS30M4.1" "R7_U_Input_Sensor E3J-DS30M4.1" | length 1.8
  Top Layer w0.2: 28.575,44.897 28.575,46.725
NetLED3_1: LED3.1 R18.2 | length 1.9
  Top Layer w0.4: R18.2 57.304,46.52 57.404,46.62 LED3.1
NetLED4_1: LED4.1 R19.2 | length 2.1
  Top Layer w0.4: R19.2 57.427,35.014 57.527,34.914 57.527,34.764 57.531,34.76 LED4.1
NetQ1_3: Q1.3 R14.1 R15.2 | length 3.2
  Top Layer w0.2: Q1.3 50.993,32.916 R14.1
NetR2_1: R2.1 R3.2 U1.4 | length 5.3
  Top Layer w0.4: R3.2 14.283,8.043 17.674,8.043 U1.4
  Top Layer w0.8: R3.2 R2.1
NetR3_1: R3.1 R4.2 | length 2
  Top Layer w0.8: R4.2 10.287,8.078 10.337,8.128 R3.1
"OPTO_OUT_U_Input_Sensor E3J-DS30M2": "C21_U_Input_Sensor E3J-DS30M2.1" "LED2_U_Input_Sensor E3J-DS30M2.2" "OP1_U_Input_Sensor E3J-DS30M2.4" "OP2_U_Input_Sensor E3J-DS30M2.4" U2.28 | length 23.3
  Top Layer w0.2: 28.702,31.232 38.481,31.232 39.379,32.129 U2.28
  Top Layer w0.4: 23.698,27.701 23.8,27.803 25.019,27.803 25.4,28.184 25.4,31.384 ; 23.698,31.384 25.4,31.384 ; 28.702,31.232 28.6,31.13 26.797,31.13 26.797,31.134 26.547,31.384 25.4,31.384
"OPTO_OUT_U_Input_Sensor E3J-DS30M3": "C21_U_Input_Sensor E3J-DS30M3.1" "LED2_U_Input_Sensor E3J-DS30M3.2" "OP1_U_Input_Sensor E3J-DS30M3.4" "OP2_U_Input_Sensor E3J-DS30M3.4" U2.27 | length 28.9
  Top Layer w0.2: 28.702,40.087 29.88,40.087 30.353,39.614 30.353,32.883 31.242,31.994 38.354,31.994 38.879,32.518 U2.27
  Top Layer w0.4: 23.698,36.429 24.115,36.429 25.4,37.714 25.4,40.112 ; 23.698,40.112 25.4,40.112 ; 28.702,40.087 28.676,40.112 25.4,40.112
"OPTO_OUT_U_Input_Sensor E3J-DS30M4": "C21_U_Input_Sensor E3J-DS30M4.1" "LED2_U_Input_Sensor E3J-DS30M4.2" "OP1_U_Input_Sensor E3J-DS30M4.4" "OP2_U_Input_Sensor E3J-DS30M4.4" U2.26 | length 35.6
  Top Layer w0.2: 28.575,49.012 28.639,49.012 29.174,48.477 29.174,48.413 30.226,47.361 30.226,42.027 31.178,41.074 31.178,33.327 31.877,32.629 37.973,32.629 38.379,33.034 U2.26
  Top Layer w0.4: 23.571,45.481 25.044,45.481 25.4,45.837 25.4,48.91 ; 23.571,48.91 25.4,48.91 ; 28.575,49.012 28.473,48.91 26.543,48.91 25.4,48.91
OSC32_IN: U2.2
OSC32_OUT: U2.3
OSC_IN: U2.8
OSC_OUT: U2.9
RST_STM: C23.1 R11.2 SW1.1 U2.10 | length 12.1
  Top Layer w0.2: C23.1 35.425,49.52 ; R11.2 36.354,49.52 35.425,49.52 ; U2.10 38.879,46.526 SW1.1 37.084,46.599 35.425,48.258 35.425,49.52
SWCLK: C24.4 R10.1 U2.36 | length 12.2
  Top Layer w0.2: U2.36 43.379,27.506 42.545,26.672 C24.4 46.482,26.543 R10.1 R10.1@46.759,26.67
UART1_RX: IC2.1 R17.2 R18.1 T3.1 U2.32 | length 31.7
  Top Layer w0.2: U2.32 v1(41.379,36.848) ; R18.1@57.258,44.685 58.782,44.685 59.69,45.593 T3.1
  Top Layer w0.4: IC2.1 55.626,42.703 R17.2 55.645,44.685 R18.1@57.258,44.685
  Bottom Layer w0.2: v1(41.379,36.848) 53.223,36.848 55.626,39.251 v1(55.626,43.561)
UART1_TX: IC2.4 R15.1 R16.2 R19.1 T4.1 U2.29 | length 30.6
  Top Layer w0.2: U2.29 39.879,35.296 v1(40.132,35.55) ; R15.1 52.832,34.694 53.032,34.894 53.182,34.894 53.898,35.61 v1@53.898,35.737 ; v1(53.975,35.814) 54.039,35.814 54.993,36.768 55.564,36.768 R16.2 ; R19.1 57.427,36.83 59.944,34.313 T4.1
  Top Layer w0.4: IC2.4 55.626,38.831 R16.2 R19.1
  Bottom Layer w0.2: v1(40.132,35.55) 47.214,35.55 47.314,35.55 ccw(c47.314,35.75) 47.514,35.75 47.514,35.81 cw(c47.714,35.81) 47.914,35.81 47.914,35.453 ccw(c48.114,35.453) 48.314,35.453 48.314,35.81 cw(c48.514,35.81) 48.714,35.81 48.714,35.75 ccw(c48.914,35.75) 48.914,35.55 49.251,35.55 53.658,35.549 53.922,35.814 v1(53.975,35.814)
UART2_RX: P1.2 U2.14 | length 4.2
  Top Layer w0.2: P1.2 34.726,40.431 U2.14
UART2_TX: P1.3 U2.13 | length 3.7
  Top Layer w0.2: P1.3 33.481,41.265 33.815,40.931 U2.13
UART4_RX: U2.12
UART4_TX: U2.11
V_BAT: U2.4
V_MCU: C11.1 C12.1 C24.1 Q1.1 R5.2 R11.1 R14.2 R16.1 R17.1 U2.6 | length 71.3
  Top Layer w0.2: U2.6 v1(40.879,45.202) ; v1(52.902,45.198) 53.011,45.198 53.15,45.337 53.212,45.337 54.325,46.45 55.594,46.45 R17.1 ; v1(53.725,39.425) 53.725,36.945 52.893,36.113 Q1.1 52.893,36.063 51.943,35.113 51.943,33.932 52.982,32.893 53.721,32.893 53.975,33.147 53.975,34.417 54.546,34.989 ; 54.61,35.014 R16.1
  Top Layer w0.4: R11.1 38.239,49.3 38.339,49.2 39.078,48.461 39.078,48.415 40.621,46.872 40.644,46.872 40.894,46.622 C12.1 ; v1(40.879,45.202) 40.879,46.456 C12.1 ; C11.1 C12.1
  Top Layer w0.8: R5.2 31.215,27.789 31.59,27.789 32.904,26.475 C24.1@35.107,26.475
  Bottom Layer w0.2: v1(40.879,45.202) 52.898,45.202 v1(52.902,45.198) 53.725,44.375 v1(53.725,39.425)
  Bottom Layer w0.4: C24.1 35.275,26.893 35.275,44.536 v1(39.116,48.377)
V_VREF: C22.1 U2.5 | length 5.2
  Top Layer w0.2: U2.5 41.379,43.279 42.921,44.821 43.792,45.692 43.792,46.067 C22.1
Vin: F1.1 J1.4 J2.4 | length 44.5
  Bottom Layer w1.5: F1.1 70.731,6.883 71.2,7.352 71.2,23.475 ; J1.4 71.89,24.165 71.2,23.475 ; J2.4 74.085,42.975 71.925,42.975 71.2,42.25 71.2,23.475
pads on no net: "C20_U_Input_Sensor E3J-DS30M2.0" "C20_U_Input_Sensor E3J-DS30M3.0" "C20_U_Input_Sensor E3J-DS30M4.0" "C21_U_Input_Sensor E3J-DS30M2.0" "C21_U_Input_Sensor E3J-DS30M3.0" "C21_U_Input_Sensor E3J-DS30M4.0" "R7_U_Input_Sensor E3J-DS30M2.0" "R7_U_Input_Sensor E3J-DS30M3.0" "R7_U_Input_Sensor E3J-DS30M4.0" "R9_U_Input_Sensor E3J-DS30M2.0" "R9_U_Input_Sensor E3J-DS30M3.0" "R9_U_Input_Sensor E3J-DS30M4.0" C7.0 C8.0 C10.0 C11.0 C12.0 C13.0 C14.0 C15.0 D1.0 D3.0 L2.0 M1.1 M2.1 M3.1 M4.1 R2.0 R3.0 R4.0 U1.2 U1.3 U1.5 U2.1 U2.15 U2.16 U2.17 U2.18 U2.19 U2.20 U2.21 U2.22 U2.23 U2.24 U2.25 U2.30 U2.31 U2.33 U2.34 U2.37 U2.38 U2.39 U2.40 U2.41 U2.42 U2.43 U2.44 U2.45 U2.46 U2.47 U2.48

## Polygon pours and split planes (outlines as drawn)
GND on Bottom Layer "NONET_L-01_P-001" (solid, remove dead copper, pour order 1): 0.4,0.975 78.95,0.975 79.075,1.1 79.075,54.55 0.6,54.55 0.5,54.65
GND on Top Layer "NONET_L-01_P-001" (solid, remove dead copper, pour order 0): 0.4,54.85 0.6,54.65 79.175,54.65 79.175,0.975 79.075,0.875 78.85,1.1 0.5,1.1

## Keep-outs
Keep-Out Layer:
  the board outline again, w0.1

## Other copper
Top Layer:
  region net 24Vdc: 22.475,10.65 22.625,10.8 23.95,10.8 24.6,11.45 26.2,11.45 26.675,10.975 26.675,8.35 26.15,7.825 25.125,7.825 24.575,8.375 24.575,9.5 23.95,10.125
  region net +5: 24.765,21.463 25.527,22.225 27.94,22.225 29.21,20.955 44.704,20.955 45.466,20.193 45.466,19.558 45.593,19.558 46.863,18.288 48.768,18.288 48.768,16.891 49.53,16.129 49.53,16.002 46.99,16.002 45.72,17.272 45.72,17.78 44.831,18.669 39.243,18.669 38.354,19.558 29.083,19.558 28.448,18.923 28.448,15.875 26.289,13.716 25.146,13.716 24.765,14.097
  region net NetC7_2: 15.367,17.907 17.145,17.907 17.78,18.542 17.78,21.59 20.32,21.59 21.336,20.574 21.336,16.891 23.876,14.351 23.876,11.811 23.622,11.557 21.59,11.557 21.59,12.446 20.955,13.081 19.558,13.081 19.431,13.208 19.431,14.732 18.288,15.875 15.494,15.875

## Silkscreen, mask and mechanical layers (free items; w line width, h text height)
Top Overlay:
  lines w0.1: 7.147,53.349 72.601,53.349 ; 7.176,2.349 72.581,2.349 ; 7.234,50.349 72.493,50.349 ; 7.285,5.349 72.581,5.349
  text "V1.3 - 01/11/2022" at 43.053,51.459 h2
  text "Hardware Design" at 25.654,51.432 h2
  text "RX" at 61.976,48.26 h2
  text "TX" at 31.304,40.566 h2 r90
  text "RX" at 31.304,37.518 h2 r90
  text "0v" at 31.304,34.724 h2 r90
  text "3.3 0v" at 33.147,30.377 h2
  text "SW" at 42.164,30.377 h2
  text "DIO" at 38.608,30.25 h2
  text "TX" at 58.935,28.885 h2
  text "COM" at 9.376,16.8 h2 r90
Bottom Overlay:
  text "Vin" at 78.675,42.6 h2
  text "GND" at 78.9,38.869 h1.6
  text "A+" at 78.435,35.004 h2
  text "+  IN3  -" at 1.649,34.425 h2 r270
  text "B+" at 78.525,31.225 h2
  text "+  IN2  -" at 1.625,24.575 h2 r270
  text "Vin" at 78.825,23.85 h2
  text "GND" at 79,19.744 h1.6
  text "A+" at 78.425,15.9 h2
  text "+  IN1  -" at 1.625,14.15 h2 r270
  text "B+" at 78.375,11.925 h2
  text "0V" at 1.016,9.755 h2 r180

## Text inside footprints (layer, text, board x,y; h text height)
C5: Top Overlay "+" at 53.975,7.747 h1.5 r90
C6: Top Overlay "+" at 31.09,5.538 h1.5 r90
C9: Top Overlay "+" at 31.394,23.525 h1.5 r270